# Altium PCB RTLS_Node_pcb.PcbDoc
Units mm, origin at the board's own origin, x right, y up, seen from the top; angles counter-clockwise.
Board outline 69 x 40 mm, 2 copper layers (Top Layer, Bottom Layer); 93 components, 87 nets, 347 pads, 100 vias.
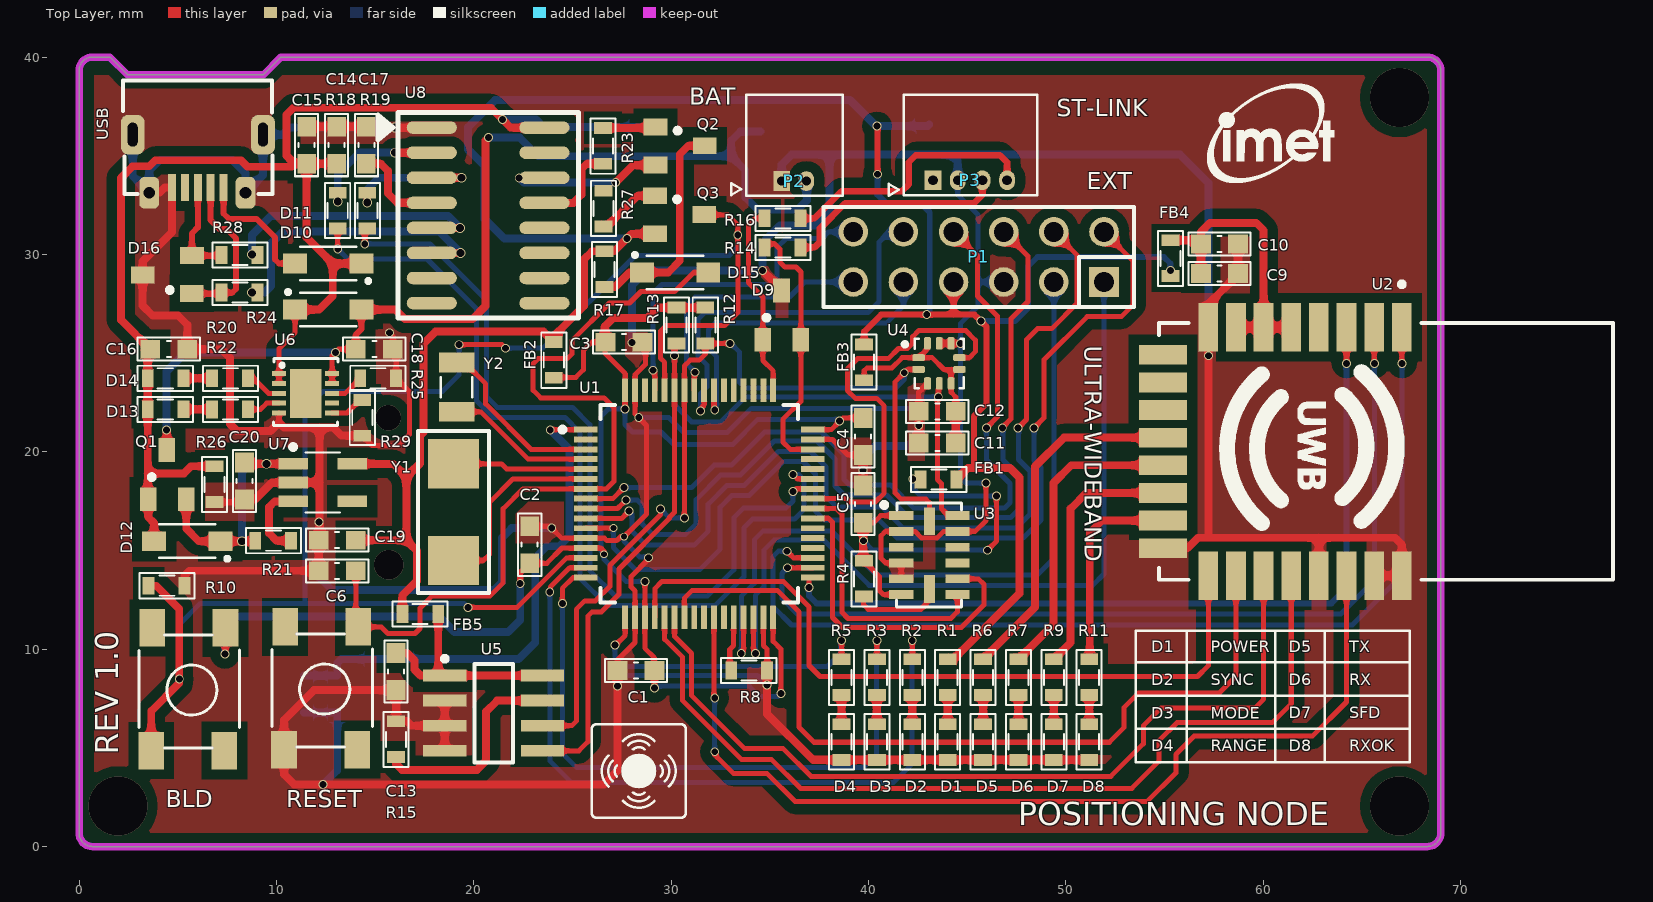
[diagram p0: Top Layer view]
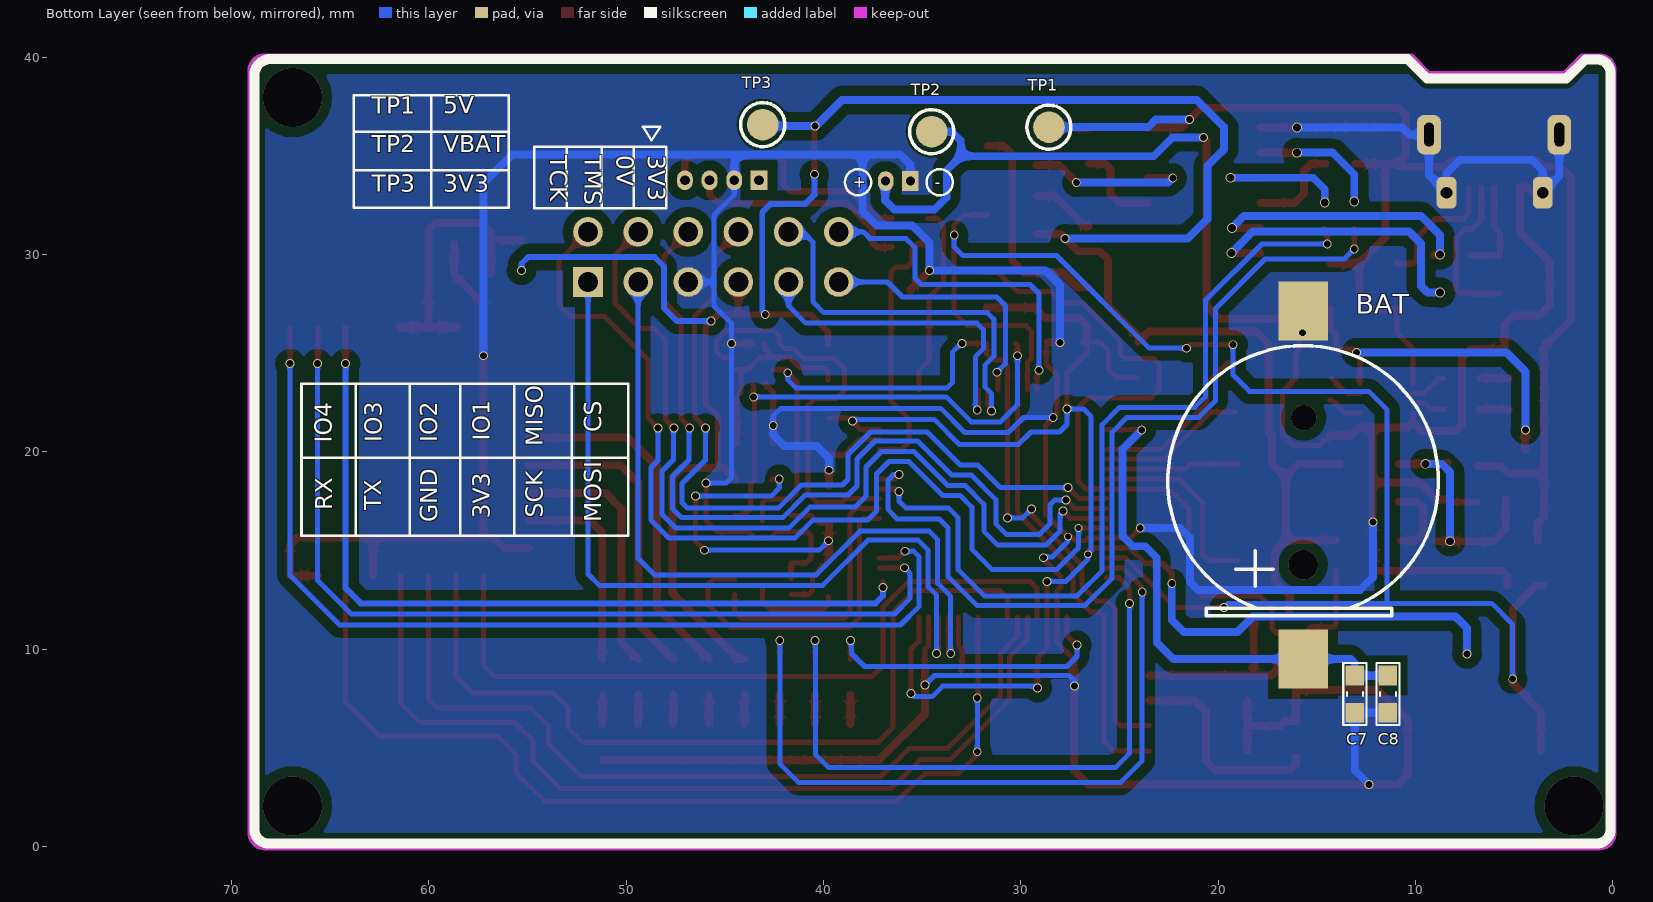
[diagram p1: Bottom Layer view, seen from below]
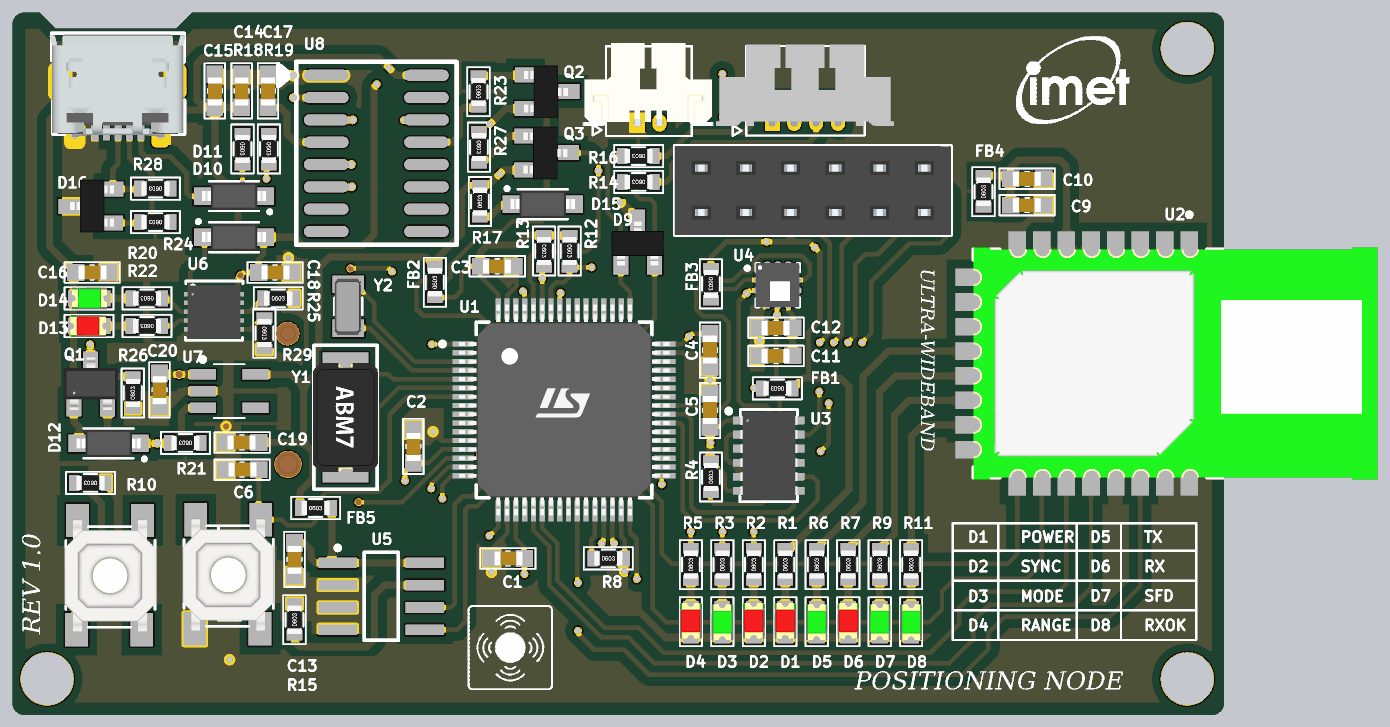
[diagram p2: 3D render of the assembled board from above, using the file's embedded part models]
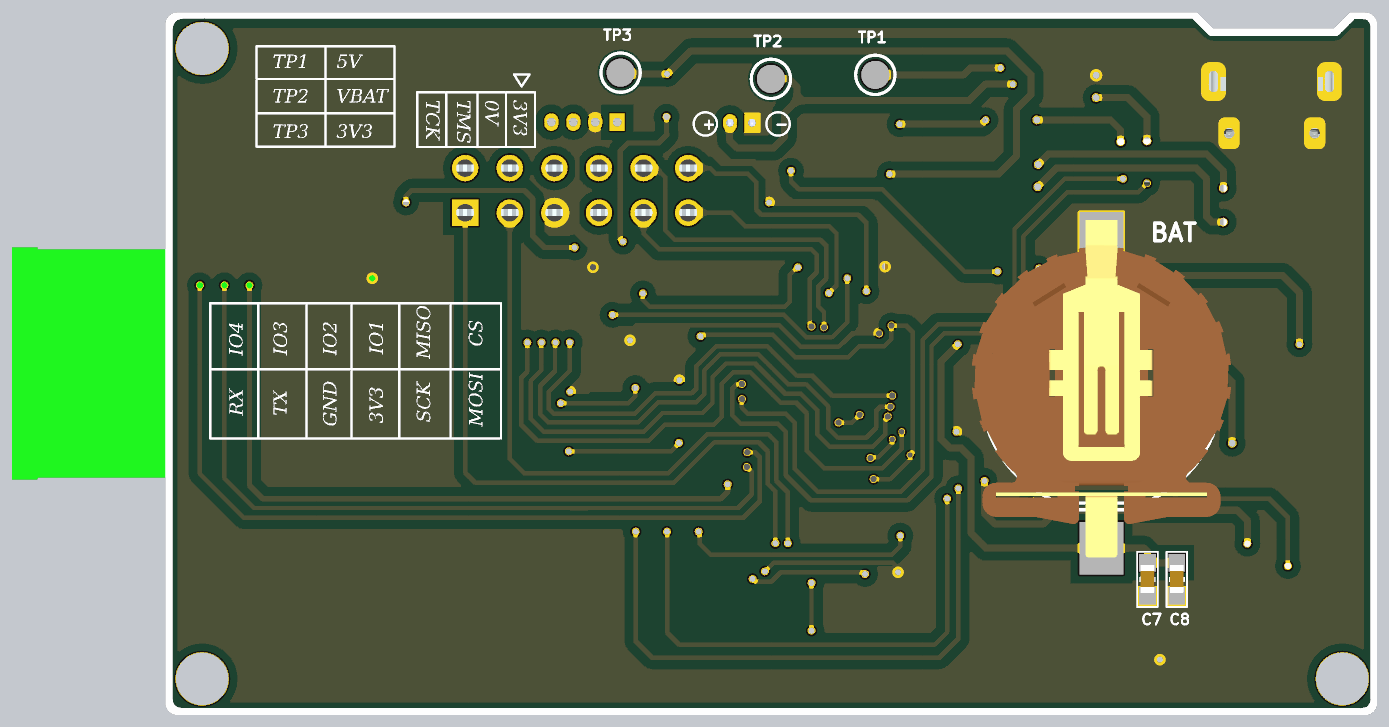
[diagram p3: 3D render of the assembled board from below, using the file's embedded part models]

## Layer stack, top to bottom
Top Solder: solder mask 0.0102, Solder Resist, Dk 3.5
Top Layer: signal copper 0.0356
Dielectric 1: dielectric 0.32, FR-4, Dk 4.8
Bottom Layer: signal copper 0.0356
Bottom Solder: solder mask 0.0102, Solder Resist, Dk 3.5

## Board outline
0,0.686 0,39.314 cw(c0.686,39.314) 0.686,40 1.554,40 2.464,39.091 9.322,39.091 10.231,40 68.314,40 cw(c68.314,39.314) 69,39.314 69,38.481 69,1.639 69,0.686 cw(c68.314,0.686) 68.314,0 0.686,0 cw(c0.686,0.686)

## Design rules (kind name [scope] priority, off if disabled: settings)
Clearance [All] p1: gap=0.203 ignorepadtopadclearanceinfootprint=FALSE except(0.508: Arc-Fill Arc-Poly Arc-Region Track-Fill Track-Poly Track-Region SMDPad-Fill SMDPad-Poly SMDPad-Region THPad-Fill THPad-Poly THPad-Region Via-Fill Via-Poly Via-Region Fill-Fill Fill-Poly Fill-Region Poly-Poly Poly-Region Region-Region)
PolygonConnect [All] p1: connectstyle=Direct reliefconductorwidth=0.254 reliefentries=4 polygonreliefangle="90 Angle" airgapwidth=0.254
RoutingVias [All] p1: holewidth=0.35 width=0.45 viastyle="Through Hole" minholewidth=0.3 minwidth=0.4 maxholewidth=0.5 maxwidth=0.7
SolderMaskExpansion [All] p1: expansion=0.102
Width [All] p1: maxlimit=0.8 minlimit=0.2 preferedwidth=0.3
30 further rules are at their usual default settings.

## Components (designator, comment, footprint, x,y, rotation, side; value= is the part's Value field where it differs from the comment)
BAT "PIN 3V" "CR1220 SMD" 15.469,18.161 r180 bottom
BLD "BLD/BTN" "SW4 - SMD" 5.69,7.925 r270 top value="Button chip 4 pin"
C1 "104" CAP_0603 28.219,8.915 r0 top value=33p
C2 "104" CAP_0603 22.835,15.291 r270 top value=33p
C3 "104" CAP_0603 27.61,25.552 r180 top value=33p
C4 "104" CAP_0603 39.727,20.777 r90 top value=33p
C5 "104" CAP_0603 39.727,17.348 r90 top value=33p
C6 "10uF" CAP_0603 13.081,13.97 r0 top value=33p
C7 "104" CAP_0603 13.081,7.722 r90 bottom value=103
C8 "1uF" CAP_0603 11.405,7.722 r90 bottom value=103
C9 "104" CAP_0603 57.785,29.032 r180 top value=103
C10 "1uF" CAP_0603 57.785,30.531 r180 top value=103
C11 "1uF" CAP_0603 43.484,20.447 r180 top value=33p
C12 "104" CAP_0603 43.484,22.047 r180 top value=33p
C13 "104" CAP_0603 16.065,8.865 r270 top value=33p
C14 "104" CAP_0603 13.056,35.535 r270 top value=33p
C15 "10uF" CAP_0603 11.531,35.535 r270 top value=33p
C16 "1uF" CAP_0603 4.547,25.197 r0 top value=33p
C17 "104" CAP_0603 14.554,35.535 r270 top value=33p
C18 "1uF" CAP_0603 14.96,25.197 r0 top value=33p
C19 "1uF" CAP_0603 13.081,15.519 r180 top value=33p
C20 "1uF" CAP_0603 8.382,18.517 r270 top value=33p
D1 "BLUE" LED-0603-Red 44.011,5.258 r270 top value="LED 3 ly Single Colour"
D2 "RED" LED-0603-Red 42.218,5.258 r270 top value="LED 3 ly Single Colour"
D3 "GREEN" LED-0603-Green 40.451,5.182 r270 top value="LED 3 ly Single Colour"
D4 "YELLOW" LED-0603-Red 38.633,5.258 r270 top value="LED 3 ly Single Colour"
D5 "BLUE" LED-0603-Green 45.829,5.182 r270 top value="LED 3 ly Single Colour"
D6 "RED" LED-0603-Red 47.596,5.258 r270 top value="LED 3 ly Single Colour"
D7 "GREEN" LED-0603-Green 49.414,5.182 r270 top value="LED 3 ly Single Colour"
D8 "YELLOW" LED-0603-Green 51.206,5.182 r270 top value="LED 3 ly Single Colour"
D9 "ESDALD05UE2X" SOT23 35.585,26.921 r0 top
D10 "1N5819" SOD-123 12.7,27.28 r0 top value=1N4007
D11 "1N5819" SOD-123 12.548,29.464 r180 top value=1N4007
D12 "1N5819" SOD-123 5.405,15.392 r180 top value=1N4007
D13 "YELLOW" LED-0603-Red 4.419,22.149 r0 top value="LED 3 ly Single Colour"
D14 "YELLOW" LED-0603-Green 4.495,23.749 r0 top value="LED 3 ly Single Colour"
D15 "1N5819" SOD-123 30.277,29.159 r0 top value=1N4007
D16 "ESDALD05UE2X" SOT23 4.47,28.956 r90 top
FB1 "120R" RES-SMD-0603 43.561,18.593 r180 top
FB2 "120R" RES-SMD-0603 24.054,24.638 r90 top
FB3 "120R" RES-SMD-0603 39.777,24.549 r270 top
FB4 "120R" RES-SMD-0603 55.296,29.794 r90 top
FB5 "120R" RES-SMD-0603 17.272,11.786 r0 top
P1 "EXT" JP6-C2T 45.579,29.87 r180 top
P2 "BAT" HEAD2P-1.25 36.322,33.716 r0 top
P3 "ST-LINK" HEADER4P-1.25 45.212,33.757 r0 top
Q1 "AO3407A" AO3407A 4.521,18.868 r0 top
Q2 "S8050" SOT23 30.455,35.509 r270 top
Q3 "S8550" SOT23 30.429,32.029 r270 top
R1 "10k" RES-SMD-0603 44.011,8.56 r90 top
R2 "10k" RES-SMD-0603 42.218,8.56 r90 top
R3 "10k" RES-SMD-0603 40.426,8.56 r90 top
R4 "1K" RES-SMD-0603 39.777,13.552 r90 top
R5 "10k" RES-SMD-0603 38.633,8.56 r90 top
R6 "330R" RES-SMD-0603 45.803,8.56 r90 top
R7 "330R" RES-SMD-0603 47.596,8.56 r90 top
R8 "10K" RES-SMD-0603 33.934,8.915 r0 top
R9 "330R" RES-SMD-0603 49.388,8.56 r90 top
R10 "10K" RES-SMD-0603 4.45,13.213 r180 top
R11 "330R" RES-SMD-0603 51.181,8.56 r90 top
R12 "4.7k" RES-SMD-0603 31.73,26.416 r270 top
R13 "4.7k" RES-SMD-0603 30.277,26.416 r270 top
R14 "10R" RES-SMD-0603 35.664,30.353 r180 top value=1K
R15 "10k" RES-SMD-0603 16.065,5.423 r90 top
R16 "10R" RES-SMD-0603 35.664,31.826 r180 top value=1K
R17 "1K" RES-SMD-0603 26.619,29.235 r90 top
R18 "1K" RES-SMD-0603 13.106,32.233 r270 top
R19 "1K" RES-SMD-0603 14.605,32.233 r270 top
R20 "10k" RES-SMD-0603 7.671,23.724 r180 top
R21 "10k" RES-SMD-0603 9.855,15.494 r180 top
R22 "10k" RES-SMD-0603 7.671,22.149 r180 top
R23 "1K" RES-SMD-0603 26.543,35.484 r90 top
R24 "22R" RES-SMD-0603 8.153,28.067 r180 top value=1K
R25 "10k" RES-SMD-0603 15.138,23.724 r0 top
R26 "100k" RES-SMD-0603 6.858,18.338 r90 top
R27 "1K" RES-SMD-0603 26.568,32.334 r270 top
R28 "22R" RES-SMD-0603 8.153,29.972 r180 top value=1K
R29 "1k" RES-SMD-0603 14.351,21.742 r270 top
RESET "RESET" "SW4 - SMD" 12.421,7.976 r270 top value="Button chip 4 pin"
TP1 "Testpoint" TP1 28.575,36.449 r180 bottom
TP2 "Testpoint" TP1 34.519,36.22 r180 bottom
TP3 "Testpoint" TP1 43.078,36.576 r180 bottom
U1 "STM32F103RCT6" STM32F103RCT6 31.394,17.374 r0 top
U2 "DWM1000" DW1000 66.218,20.041 r270 top
U3 "ADXL345" ADXL345 43.129,15.096 r0 top
U4 "LPS25H" LPS25H 43.594,24.527 r0 top
U5 "AT24C256" SOIC-8 21.006,6.756 r0 top
U6 "MCP73833" MCP73833 11.481,22.962 r0 top
U7 "TLV70223" SOT23-5 12.344,18.44 r0 top
U8 "CH340C" SO16 20.726,31.979 r0 top
USB "USB" "Micro Usb" 6.02,36.068 r180 top
Y1 "8MHz" ABM7_v1_1_BIG 18.974,16.942 r270 top
Y2 "32,768 Khz" "FC135 32.768" 19.101,23.297 r90 top value=32,768khz

## Footprints (in the part's own frame and the unit in brackets; to place one, negate y for a bottom-side part, rotate by r counter-clockwise, add the part's x,y. Pads: shape width x height; smd on the part's side, far side on the other; paste and mask are expansions set on the pad)
ABM7_v1_1_BIG [mm]
  rect 2.5x2.6 smd: 1(-2.45,0) 2(2.45,0)
  silkscreen extent -4.1,-1.8 4.1,1.8, body extent -3.1,-1.85 3.1,1.85, height 1.45
ADXL345 [mil]
  rect 48.01x17.68 smd paste+0 mask+0: 1(-57.97,65.74) 2(-57.97,34.24) 3(-57.97,2.75) 4(-57.97,-28.75) 5(-57.97,-60.24) 6(-57.97,-91.74) 8(53.97,-91.74) 9(53.97,-60.24) 10(53.97,-28.75) 11(53.97,2.75) 12(53.97,34.24) 13(53.97,65.74)
  rect 22x55.12 smd paste+0 mask+0: 7(-2,-80.66) 14(-2,54.66)
  silkscreen extent -97,-116 62,92, body extent -66,-111 62,85, height 40
AO3407A [mm]
  rect 0.85x1.2 smd: 1(-1.016,-1.27) 2(0.909,-1.275) 3(-0.071,1.225)
  silkscreen extent -0.96,-0.28 -0.71,-0.03, body extent -1.6,-1.5 1.5,1.5, height 1.25
CAP_0603 [mm]
  rect 1x0.95 smd mask+0.076: 1(-0.94,0) 2(0.94,0)
  silkscreen extent -1.57,-0.58 1.57,0.58, body extent -0.77,-0.39 0.83,0.41, height 0.9
"CR1220 SMD" [mm] "CR1220 SMD"
  rect 2.5x3 smd: 1(-0.229,-8.661) 2(-0.229,8.966)
  silkscreen extent -7.08,-6.48 6.63,7.21, body extent -7.6,-9.18 7.15,10.02, height 4.55
DW1000 [mm]
  rect 2.45x1 smd paste+0 mask+0: 1(-6.27,0.8) 2(-6.27,-0.6) 3(-6.27,-2) 4(-6.27,-3.4) 5(-6.27,-4.8) 6(-6.27,-6.2) 7(-6.27,-7.6) 8(-6.27,-9) 17(6.32,-9) 18(6.32,-7.6) 19(6.32,-6.2) 20(6.32,-4.8) 21(6.32,-3.4) 22(6.32,-2) 23(6.32,-0.6) 24(6.32,0.8)
  rect 1x2.45 smd paste+0 mask+0: 9(-4.875,-11.295) 10(-3.475,-11.295) 11(-2.075,-11.295) 12(-0.675,-11.295) 13(0.725,-11.295) 14(2.125,-11.295) 15(3.525,-11.295) 16(4.925,-11.295)
  silkscreen extent -8.57,-11.5 6.53,11.5, body extent -6.57,-11.5 6.63,11.5, height 3.15
"FC135 32.768" [mm] "SMD 3512"
  rect 1x1.8 smd: 1(-1.275,-0.025) 2(1.225,-0.025)
  silkscreen extent -0.53,-0.83 0.47,0.77, body extent -1.65,-0.75 1.55,0.75, height 0.9
HEAD2P-1.25 [mm]
  rect 0.85x1 hole 0.45 mask+0.076: 1(-0.722,0)
  oval 0.8x1 hole 0.45 mask+0.076: 2(0.528,0)
  silkscreen extent -3.28,-0.74 2.36,4.37, body extent -3.84,-0.19 3.61,4.56, height 3.83
HEADER4P-1.25 [mm]
  rect 0.85x1 hole 0.5 mask+0.076: 1(-1.941,0)
  oval 0.8x1 hole 0.5 mask+0.076: 2(-0.691,0) 3(0.559,0) 4(1.809,0)
  silkscreen extent -4.19,-0.78 3.33,4.34, body extent -5.15,-0.23 5,4.42, height 3.8
JP6-C2T [mm] "12 pins, dual row, straight, gold plating"
  rect 1.5x1.5 hole 1: 1(-6.35,1.27)
  round 1.5 hole 1: 2(-3.81,1.27) 3(-1.27,1.27) 4(1.27,1.27) 5(3.81,1.27) 6(6.35,1.27) 7(6.35,-1.27) 8(3.81,-1.27) 9(1.27,-1.27) 10(-1.27,-1.27) 11(-3.81,-1.27) 12(-6.35,-1.27)
  silkscreen extent -7.87,-2.54 7.87,2.54, body extent -7.87,-2.54 7.87,2.54, height 8.51
LED-0603-Green [mm]
  rect 0.6x0.9 smd: 1(-1.016,-0.025) 2(0.8,-0.025)
  silkscreen extent -1.52,-0.66 1.27,0.61, body extent -1.11,-0.65 0.91,0.6, height 1.1
LED-0603-Red [mm]
  rect 0.6x0.9 smd: 1(-0.94,0) 2(0.876,0)
  silkscreen extent -1.45,-0.64 1.35,0.64, body extent -1.11,-0.62 0.91,0.63, height 1.1
LPS25H [mm]
  rrect50% 0.635x0.35 smd: 1(-1.057,0.244) 2(-1.057,-0.356) 6(1.012,-0.356) 7(1.012,0.244)
  rrect50% 0.35x0.635 smd: 3(-0.61,-1.067) 4(-0.01,-1.067) 5(0.59,-1.067) 8(0.59,0.965) 9(-0.01,0.965) 10(-0.61,0.965)
  silkscreen extent -1.86,-1.31 1.24,1.19, body extent -1.28,-1.3 1.22,1.2, height 0.8
MCP73833 [mil]
  rect 28x10 smd paste+0 mask+0: 1(-53,39.37) 2(-53,19.68) 3(-53,0) 4(-53,-19.68) 5(-53,-39.37) 6(53,-39.37) 7(53,-19.68) 8(53,0) 9(53,19.68) 10(53,39.37)
  rect 62.99x98 smd paste+0 mask+0: 11(0,0)
  silkscreen extent -64,-64 65,69, body extent -59,-59 59,59, height 37
"Micro Usb" [mm]
  rect 0.4x1.35 smd mask+0.05: 1(-1.3,2.675) 2(-0.65,2.675) 3(0,2.675) 4(0.65,2.675) 5(1.3,2.675)
  rrect60% 1.2x2 hole 0.5 slot 1.2 at 90 deg: 5(-3.3,0) 5(3.3,0)
  rrect50% 1x1.6 hole 0.6: 5(-2.413,2.946) 5(2.464,2.946)
  silkscreen extent -3.78,-2.75 3.78,3, body extent -3.86,-2.68 3.91,3.16, height 2.6
RES-SMD-0603 [mm]
  rect 0.6x0.9 smd: 1(-0.889,0) 2(0.927,0)
  silkscreen extent -1.4,-0.64 1.4,0.64, body extent -0.8,-0.4 0.8,0.4, height 0.43
SO16 [mm]
  oval 2.54x0.635 smd: 1(-2.854,4.445) 2(-2.854,3.175) 3(-2.854,1.905) 4(-2.854,0.635) 5(-2.854,-0.635) 6(-2.854,-1.905) 7(-2.854,-3.175) 8(-2.854,-4.445) 9(2.854,-4.445) 10(2.854,-3.175) 11(2.854,-1.905) 12(2.854,-0.635) 13(2.854,0.635) 14(2.854,1.905) 15(2.854,3.175) 16(2.854,4.445)
  silkscreen extent -5.59,-5.21 4.57,5.21, body extent -3.47,-4.95 3.47,4.95, height 1.75
SOD-123 [mm]
  rect 1.21x1 smd: 1(1.604,-0.076) 2(-1.756,-0.076)
  silkscreen extent -2.21,-0.93 1.35,0.91, body extent -1.9,-0.85 1.75,0.7, height 1.5
SOIC-8 [mm] "SOIC, 8-Leads, Body 5,0x4,0mm (max), Pitch 1,27mm, IPC Medium Density"
  rect 2.2x0.6 smd: 1(-2.475,1.905) 2(-2.475,0.635) 3(-2.475,-0.635) 4(-2.475,-1.905) 5(2.475,-1.905) 6(2.475,-0.635) 7(2.475,0.635) 8(2.475,1.905)
  silkscreen extent -2.6,-2.5 0.98,2.88, body extent -3.2,-2.5 3.2,2.5, height 1.75
SOT23 [mm] "SOT 23 _ 1-3-2"
  rect 0.85x1.2 smd: 1(-0.94,-1.245) 2(0.985,-1.25) 3(0.005,1.25)
  silkscreen extent -0.88,-0.25 -0.64,0, body extent -1.47,-1.33 1.53,1.17, height 1.06
SOT23-5 [mm] "SOT23, 5-Leads, Body 3.0x3.0mm (max), Pitch 0.95mm, IPC Medium Density"
  rect 1.5x0.6 smd: 1(-1.5,0.95) 2(-1.5,0) 3(-1.5,-0.95) 4(1.5,-0.95) 5(1.5,0.95)
  silkscreen extent -1.62,-1.52 0.87,1.92, body extent -1.75,-1.52 1.75,1.53, height 1.45
STM32F103RCT6 [mm] "STM32F103RCT6"
  rect 1.2x0.3 smd paste+0 mask+0: 1(-5.725,3.75) 2(-5.725,3.25) 3(-5.725,2.75) 4(-5.725,2.25) 5(-5.725,1.75) 6(-5.725,1.25) 7(-5.725,0.75) 8(-5.725,0.25) 9(-5.725,-0.25) 10(-5.725,-0.75) 11(-5.725,-1.25) 12(-5.725,-1.75) 13(-5.725,-2.25) 14(-5.725,-2.75) 15(-5.725,-3.25) 16(-5.725,-3.75) 33(5.775,-3.75) 34(5.775,-3.25) 35(5.775,-2.75) 36(5.775,-2.25) 37(5.775,-1.75) 38(5.775,-1.25) 39(5.775,-0.75) 40(5.775,-0.25) 41(5.775,0.25) 42(5.775,0.75) 43(5.775,1.25) 44(5.775,1.75) 45(5.775,2.25) 46(5.775,2.75) 47(5.775,3.25) 48(5.775,3.75)
  rect 0.3x1.2 smd paste+0 mask+0: 17(-3.725,-5.75) 18(-3.225,-5.75) 19(-2.725,-5.75) 20(-2.225,-5.75) 21(-1.725,-5.75) 22(-1.225,-5.75) 23(-0.725,-5.75) 24(-0.225,-5.75) 25(0.275,-5.75) 26(0.775,-5.75) 27(1.275,-5.75) 28(1.775,-5.75) 29(2.275,-5.75) 30(2.775,-5.75) 31(3.275,-5.75) 32(3.775,-5.75) 49(3.775,5.75) 50(3.275,5.75) 51(2.775,5.75) 52(2.275,5.75) 53(1.775,5.75) 54(1.275,5.75) 55(0.775,5.75) 56(0.275,5.75) 57(-0.225,5.75) 58(-0.725,5.75) 59(-1.225,5.75) 60(-1.725,5.75) 61(-2.225,5.75) 62(-2.725,5.75) 63(-3.225,5.75) 64(-3.725,5.75)
  silkscreen extent -7.02,-5 5.03,5, body extent -6.42,-6.45 6.48,6.45, height 0.25
"SW4 - SMD" [mil] "SW button 4pin, 250 x250 mil"
  rect 75x51.18 smd: 1(-124,68) 2(120.68,-80) 3(120.68,66) 4(-124,-78)
  silkscreen extent -110,-104 115,96, body extent -126,-107 126,97, height 118
TP1 [mm] "Test point"
  round 1.6 smd: 1(0,0)
  silkscreen extent -1.12,-1.12 1.11,1.12

## Part data
BAT: "Battery 3VDC"
BLD RESET: library part SW4, "Switch button 4 pin"
C1 C2 C3 C4 C5 C6 C11 C12 C13 C14 C15 C16 C17 C18 C19 C20: library part CapSMD, "Capacitor", LatestRevisionDate=17-Jul-2002, LatestRevisionNote="Re-released for DXP Platform.", PackageReference=RAD-0.3, Published=8-Jun-2000, Publisher="Altium Limited"
C7 C8 C9 C10: library part CM, "Cap SMD"
D1 D2 D3 D4 D5 D6 D7 D8 D13 D14: library part LED, "LED Single colour Green and Red"
D10 D11 D12 D15: library part D1A_1, "Diode 1A"
FB1 FB2 FB3 FB4 FB5: library part "Ferrite beads", "Ferrite beads"
P1: library part JP6x2, "WR-PHD 2.54 mm Dual Socket Header", Manufacturer="Würth Elektronik eiSos GmbH", partNo=61301221821, ComponentLink1 Description=Manufacturer, ComponentLink1URL=http://www.we-online.com, ComponentLink2 Description=Datasheet, ComponentLink2URL=http://katalog.we-online.de/em/datasheet/6130xx21821.pdf, Created by="Karrer Zheng", Created Date="29 March 2013", NoPins=12
P2: library part Header2, "Header IDC, 2 x 1 Pin Vertical 2.54mm Pitch (Non-Boxed, Male)", Manufacturer="Würth Elektronik eiSos GmbH", partNo=613002143121, ComponentLink1 Description=Manufacturer, ComponentLink1URL=http://www.we-online.com, ComponentLink2 Description=Datasheet, ComponentLink2URL=http://katalog.we-online.de/em/datasheet/6130xx143121.pdf, Created by="Karrer Zheng", Created Date="29 March 2013", NoPins=02
P3: library part Header4, "Header IDC, 4 x 1 Pin Vertical 2.54mm Pitch (Non-Boxed, Male)", Manufacturer="Würth Elektronik eiSos GmbH", partNo=613002143121, ComponentLink1 Description=Manufacturer, ComponentLink1URL=http://www.we-online.com, ComponentLink2 Description=Datasheet, ComponentLink2URL=http://katalog.we-online.de/em/datasheet/6130xx143121.pdf, Created by="Karrer Zheng", Created Date="29 March 2013", NoPins=02
R1 R2 R3 R4 R5 R6 R7 R8 R9 R10 R11 R12 R13 R15 R17 R18 R19 R20 R21 R22 R23 R25 R26 R27 R29: library part "Resistor - SMD", "Resistor", Manufacturer="Generic Components", Class=Passive, Published=08/06/2000, Publisher="Altium Hobart Technology Centre"
R14 R16 R24 R28: library part RM, "Resistor SMD"
U1: "STM32F103RCT6 32Bit MCU"
U2: "Decawave's DW1000 Ultra / Wideband (UWB) transceiver IC"
U3: "3 Axis Digital Accelerometer"
U7: Package=SOT23-5, Name=TLV70233
USB: library part USB_1
Y1: library part ABM7-16.000MHZ-D2Y-T, "CRYSTAL 16MHZ 18PF SMD", ESR (Equivalent Series Resistance)="50 Ohm", Frequency=16MHz, Frequency Stability=±30ppm, Frequency Tolerance=±20ppm, Load Capacitance=18pF, Manufacturer="Abracon LLC", Operating Mode=Fundamental, Operating Temperature="-40癈 ~ 85癈", Package / Case=2-SMD, Ratings=-, Supplier Part Number 1=535-9840-1-ND, .Checked PCB=RF, .Checked SCH=RF, .Creator=MM, Category="Crystals and Oscillators", ComponentLink1Description=http://www.abracon.com/Resonators/abm7.pdf, ComponentLink1URL=http://www.abracon.com/Resonators/abm7.pdf, Height="0.055\" (1.40mm)", Manufacturer Part Number=ABM7-16.000MHZ-D2Y-T, Mounting Type="Surface Mount", Packaging="Cut Tape (CT)", Pricing 1="1=0.96, 10=0.847, 50=0.791, 100=0.7, 500=0.6615 (USD)", RoHS="RoHS Compliant", Size / Dimension="0.236\" L x 0.138\" W (6.00mm x 3.50mm)", Stock 1=5861, Supplier 1=Digi-Key, Type="MHz Crystal"
Y2: library part XT32k, "Crystal 32,768kHz for timer real"

## Via types
v1: diameter 0.45, hole 0.35, Top Layer to Bottom Layer, 81 vias
v2: diameter 0.5, hole 0.4, Top Layer to Bottom Layer, 11 vias
v3: diameter 0.4, hole 0.3, Top Layer to Bottom Layer, 3 vias
v4: diameter 3, hole 3, Top Layer to Bottom Layer, 3 vias
v5: diameter 1.3, hole 1.3, Top Layer to Bottom Layer, 1 vias
v6: diameter 1.5, hole 1.5, Top Layer to Bottom Layer, 1 vias
